# Altium PCB PCB1.PcbDoc (part 5 of 5)
Units mil, origin at the board's own origin, x right, y up, seen from the top; angles counter-clockwise.
Board outline 4133.86 x 2637.8 mil, 6 copper layers (Top Layer, Layer 3, Layer 1, Layer 2, Layer 4, Bottom Layer), stack 32.112 mil thick; 190 components, 222 nets, 983 pads, 548 vias.
Unrouted connection lines stored in the file: 1.
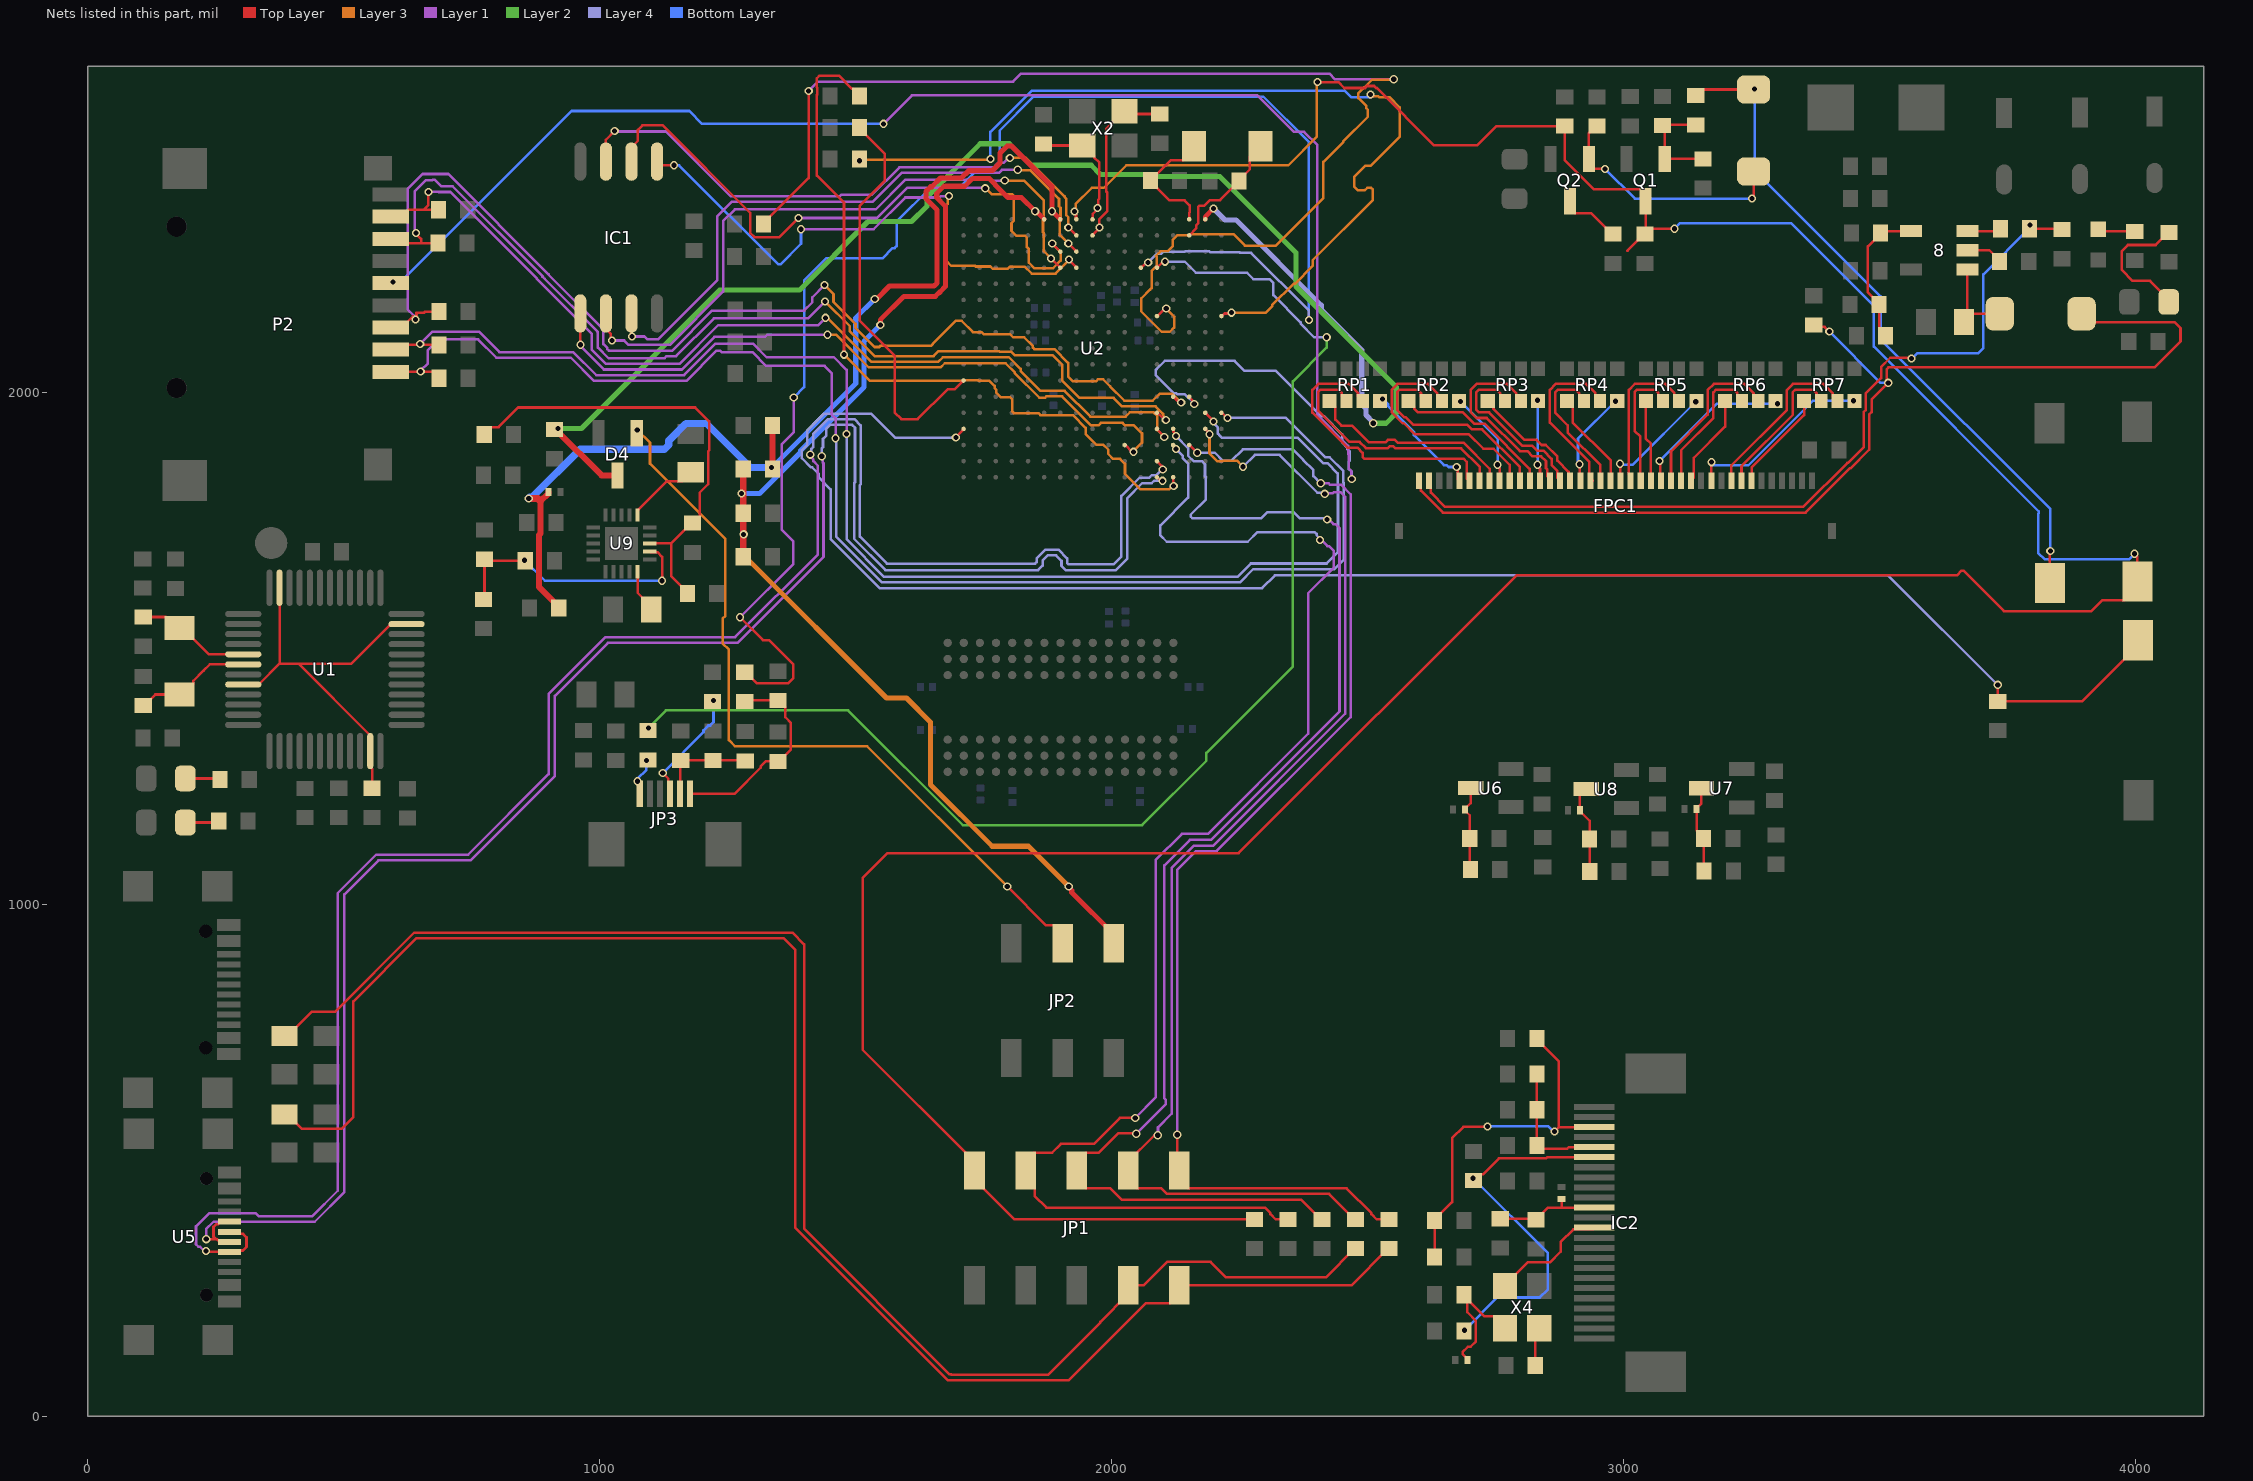
[diagram p9: the nets of this part, all layers, seen from the top]

## Via types
v1: diameter 16, hole 10, Top Layer to Bottom Layer, tented both sides, 548 vias

## Nets (pads, with @x,y where several pads share a name; then routed paths per layer and width w, separated by ;. In a path a pad name is that pad's centre, name@x,y a point inside that pad or via, vN(x,y) a via of type N, cw(c..) or ccw(c..) an arc to the next point about the centre after c; other vN are vias at no path point) (continued)
LED+: 7.2 D1.2 FPC1.1 | length 2157.1
  Top Layer w5: FPC1.1@2600.51,1827.6 2603.92,1824.19 2603.92,1808.56 2646.98,1765.5 3355.5,1765.5 3441.77,1851.77 3443.38,1851.77 3480,1888.38 3480,1957.15 3484.49,1961.65 3484.49,1986.49 3515.5,2017.5 v1(3517,2019) ; 7.2@3371.58,2132 3375.47,2128.11 3392.89,2128.11 v1(3402,2119) ; v1@3514,2019 3514,2045.44 3517.56,2049 4037,2049 4088,2100 4088,2126 4076.25,2137.75 3911.25,2137.75 D1.2@3895,2154
  Bottom Layer w5: v1(3402,2119) 3502,2019 v1(3517,2019)
LED-: FPC1.2 R20.1 R24.1 | length 1661.3
  Top Layer w5: FPC1.2@2620.2,1827.6 2623.6,1824.19 2623.6,1804.43 2651.54,1776.5 3350.94,1776.5 3437.21,1862.77 3438.83,1862.77 3469,1892.94 3469,1961.71 3473.49,1966.2 3473.49,1998.83 3503,2028.33 3503,2050 3521,2068 3564.24,2068 v1(3562.75,2066.51) ; R20.1@3794,2320 3855.13,2320 R24.1@3856.58,2318.54
  Bottom Layer w5: v1(3562.75,2066.51) 3563.69,2066.51 3574.18,2077 3693,2077 3703,2087 3703,2231 3794,2322 v1(3794,2327)
Net1_2: 1.2 2.2 FB1.1 U6.3 | length 168.1
  Top Layer w5: 2.2@2701,1068 2699.46,1069.54 1.2@2699.46,1129 2699.46,1174.2 2690.62,1183.03 FB1.1@2690.62,1185 2690.62,1186.97 2701.26,1197.61 U6.3@2701.26,1227.4
Net8_1: 8.1 D1.1 L1.1 | length 188.3
  Top Layer w5: L1.1@3665.39,2143.91 L1.1@3665.39,2138 L1.1@3671.7,2144.31 ; 8.1@3681.54,2240.6 8.1@3671.7,2240.6 L1.1@3671.7,2144.31 ; D1.1@3735,2154 3681.39,2154 L1.1@3671.7,2144.31
Net8_2: 8.2 R19.2 | length 73.1
  Top Layer w5: 8.2@3671.7,2278 3714.55,2278 3734.58,2257.97 R19.2@3734.58,2256
Net8_3: 8.3 R20.2 | length 66.2
  Top Layer w5: 8.3@3671.7,2315.4 3731.44,2315.4 R20.2@3736.04,2320
Net8_4: 8.4 13.2 R21.1 R23.1 | length 286.3
  Top Layer w5: R21.1@3512,2111 3512,2112.97 3499.13,2125.84 13.2@3499.13,2172 3499.13,2173.97 3477.41,2195.69 3477.41,2285.31 3505.53,2313.43 3505.53,2315.4 8.4@3561.46,2315.4
Net11_2: 11.2 12.2 FB2.1 U7.3 | length 171.9
  Top Layer w5: U7.3@3152,1227 3152,1197.16 3142.81,1187.97 FB2.1@3142.81,1186 3142.81,1144.61 3156.46,1130.97 12.2@3156.46,1129 3156.46,1066 11.2@3157.46,1065
Net16_2: 16.2 17.2 FB3.1 U8.3 | length 175.2
  Top Layer w5: U8.3@2927.26,1225.4 2926.09,1225.4 2914.81,1214.12 FB3.1@2914.81,1184 2914.81,1182.03 2933.91,1162.93 16.2@2933.91,1064
Net21_2: 21.2 22.2 FB6.2 IC2.11 | length 210.2
  Top Layer w5: 21.2@2758.98,385.84 2830.4,385.84 2852.29,407.74 2877.98,407.74 ; FB6.2@2878.98,424.48 2878.98,408.74 2877.98,407.74 ; IC2.11@2942.94,407.74 2877.98,407.74
Net24_2: 24.2 IC2.6 R29.2 | length 724.7
  Top Layer w5: v1(2705.94,465) 2706.98,463.96 R29.2@2706.98,460.3 ; R29.2@2713.98,465.33 2721.21,472.56 2725.25,472.56 2756.5,503.82 2848.81,503.82 2851.16,506.17 IC2.6@2942.94,506.17
  Bottom Layer w5: v1(2688.94,168) 2752.94,232 2836.14,232 2851.95,247.81 2851.95,319 v1(2705.94,465)
Net25_2: 25.2 IC2.5 R31.1 R33.1 | length 256
  Top Layer w5: R31.1@2830.52,668.55 25.2@2830.52,598.8 R33.1@2830.52,529.05 2837.05,522.52 2889.54,522.52 2892.87,525.85 IC2.5@2942.94,525.85
Net26_2: 26.2 IC2.3 R32.1 R34.1 | length 732.8
  Top Layer w5: R32.1@2630.98,311.3 26.2@2630.98,382.3 2630.98,384.27 2665.11,418.4 2665.11,543.43 2686.98,565.3 2732.98,565.3 v1(2733.98,566.3) ; R34.1@2830.52,738.3 2830.52,736.33 2872.98,693.88 2872.98,564.3 ; v1(2865.2,556.52) 2872.98,564.3 ; IC2.3@2942.94,565.22 2942.48,564.76 2873.44,564.76 2872.98,564.3
  Bottom Layer w5: v1(2733.98,566.3) 2853.06,566.3 2862.84,556.52 v1(2865.2,556.52)
Net27_2: 27.2 FB7.2 X4.4 | length 261.9
  Top Layer w5: 27.2@2688.07,235.33 2728.35,195.05 2747.4,195.05 2768.52,173.93 X4.4@2768.52,171.96 ; 27.2@2688.07,237.3 2694.6,230.77 2694.6,203.29 2711.33,186.55 2711.33,146.05 2701.07,135.79 2695.93,135.79 2685.67,125.53 2685.67,121.39 2694.79,112.27 FB7.2@2694.79,110.3
Net28_2: 28.2 JP3.5 R36.2 R39.1 | length 192.3
  Top Layer w5: JP3.5@1156.73,1216.1 1156.73,1280.19 28.2@1158,1281.46 1283,1281.46 R39.1@1284,1280.46
Net29_2: 29.2 JP3.6 R35.2 R42.1 | length 407.5
  Top Layer w5: JP3.6@1176.42,1216.1 1263.16,1216.1 1314.01,1266.95 1314.01,1269.7 1323.77,1279.46 29.2@1348,1279.46 1349.97,1279.46 1373.23,1302.72 1373.23,1354.83 1362.23,1365.83 1362.23,1386.19 1349.97,1398.46 R42.1@1348,1398.46 1285,1398.46 R35.2@1283,1396.46
NetC1_2: C1.2 U2.A7 | length 1824.9
  Top Layer w5: U2.A7@2214.45,2149.49 2215.49,2149.49 2220.4,2154.4 2232.34,2154.4 v1(2234,2156.06)
  Layer 3 w5: v1(1507.34,2452.88) 1509.15,2454.69 1761.19,2454.69 v1(1763,2456.5) ; v1(2234,2156.06) 2301.26,2156.06 2313.5,2168.29 2313.5,2170.62 2355.38,2212.5 2357.71,2212.5 2392.56,2247.35 2392.56,2258.43 2510.27,2376.15 2510.27,2396.56 2506.84,2399.99 2499.24,2399.99 2494.62,2395.37 2480.63,2395.37 2473.5,2402.5 2473.5,2420.88 2496.12,2443.5 2506.46,2443.5 2562.5,2499.54 2562.5,2557.4 2542.9,2577 2522.33,2577 2520.83,2578.5 2507.17,2578.5 2506.83,2578.17 2505.83,2579.17 v1(2505.83,2582.43)
  Bottom Layer w5: v1(1763,2456.5) 1763,2509 1844,2590 2454.79,2590 2467.79,2577 2505.83,2577 v1(2505.83,2582.43)
NetC2_2: C2.2 U2.D17 | length 1482.9
  Top Layer w5: v1(1477,2074) 1477,2371 1424,2424 1424,2581.67 1424.5,2582.17 1424.5,2595.83 1424,2596.33 1424,2614 1429,2619 1467.09,2619 1492.85,2593.23 1494.82,2593.23 1507.09,2580.97 C2.2@1507.09,2579 ; U2.D17@2119.96,1834.53 2120.5,1833.98 2120.5,1817.84 v1(2121.05,1817.29)
  Layer 3 w5: v1(1477,2074) 1528,2023 1682,2023 1682.25,2022.75 1710.18,2022.75 1711.68,2024.26 1739.61,2024.26 1740.87,2023 1761.06,2023 1771.29,2012.77 1771.29,2008.71 1774.11,2005.89 1774.11,2000.37 1783.77,1990.71 1797.44,1990.71 1797.62,1990.89 1801.11,1990.89 1805.75,1986.25 1805.75,1962.69 1808.68,1959.76 1857.09,1959.76 1860.83,1956.02 1924.09,1956.02 1948.98,1931.13 1948.98,1918.98 1969.69,1898.27 1983.36,1898.27 1993.22,1888.41 1993.22,1880.17 2002.89,1870.5 2016.33,1870.5 2026,1860.83 2026,1841 2056,1811 2111.78,1811 2118.07,1817.29 v1(2121.05,1817.29)
NetC3_2: C3.2 U2.U11 | length 796.8
  Top Layer w5: C3.2@1507.09,2517.5 1507.09,2515.53 1557,2465.62 1557,2414 1508,2365 1508,2140 1576,2072 1576,1961 1589,1948 1621,1948 1679.26,2006.26 1693.27,2006.26 1694.76,2007.76 U2.U11@1710.51,2023.5
NetC4_1: C4.1 U1.5 X1.1 | length 225.6
  Top Layer w5: C4.1@108,1561.54 151.51,1561.54 173.09,1539.96 X1.1@179,1539.96 184.91,1539.96 236.22,1488.65 U1.5@303.43,1488.65
NetC5_1: C5.1 U1.6 X1.2 | length 232.2
  Top Layer w5: C5.1@108,1388.46 109.97,1388.46 131.55,1410.04 X1.2@179,1410.04 184.76,1410.04 205.88,1431.16 205.88,1436.92 225.96,1457 237.92,1468.96 U1.6@303.43,1468.96
NetC47_1: C47.1 Q1.1 R17.2 R18.2 | length 207.2
  Top Layer w5: R17.2@3141,2522.91 3077.46,2522.91 R18.2@3076,2521.46 3080.4,2517.06 Q1.1@3080.4,2456.34 3080.61,2456.54 C47.1@3155,2456.54
NetC52_1: C52.1 D3.2 Q2.1 | length 482.5
  Top Layer w5: C52.1@2948,2520.46 2946.03,2520.46 2932.4,2506.83 Q2.1@2932.4,2456.34 2932.4,2446.31 2941.71,2437 v1(2964,2437) ; v1(3251,2379) 3254,2382 D3.2@3254,2432
  Bottom Layer w5: v1(2964,2437) 3022,2379 v1(3251,2379)
NetC59_1: C59.1 R43.2 R46.1 U9.2 | length 518.9
  Top Layer w5: R43.2@772.72,1595.85 774.72,1597.85 R46.1@774.72,1674.22 777.63,1671.31 C59.1@852.72,1671.31 ; U9.2@1097.75,1689.56 1099.19,1688.12 1112.49,1688.12 1121.72,1678.89 v1(1121.72,1632.31)
  Bottom Layer w5: v1(852.72,1672.31) 892.72,1632.31 v1(1121.72,1632.31)
NetC60_1: C60.1 R41.1 R45.2 U9.3 | length 897.6
  Top Layer w5: R45.2@774.18,1918.31 774.18,1920.28 786.44,1932.54 801.98,1932.54 840.18,1970.74 1186.29,1970.74 1213.65,1943.38 1213.65,1887.32 1211.81,1885.48 1211.81,1821.1 1194.95,1804.24 1194.95,1757.12 1182.69,1744.85 R41.1@1180.72,1744.85 1178.75,1744.85 1139.21,1705.31 ; U9.3@1097.75,1705.31 1139.21,1705.31 ; C60.1@1171.18,1607.31 1171.18,1609.28 1139.21,1641.25 1139.21,1705.31
NetD3_1: BOOT.2@3833,1628 D3.1 R17.1 | length 1331.1
  Top Layer w5: R17.1@3135,2586 R17.1@3141,2580 3153,2592 D3.1@3254,2592 ; BOOT.2@3833,1628 3833,1689.84 v1(3833.74,1690.59)
  Bottom Layer w5: v1(3256,2593) 3256,2434 3502,2188 3502,2103.93 3833.74,1772.18 v1(3833.74,1690.59)
NetFPC1_5: FPC1.5 RP1.8 | length 234.3
  Top Layer w5: v1(2673.93,1854.5) 2676.04,1852.4 2676.04,1830.81 FPC1.5@2679.25,1827.6
  Bottom Layer w5: v1(2529.38,1987.28) 2529.76,1987.28 2540.53,1976.51 2540.53,1972.97 2590.63,1922.87 2590.63,1916.83 2649.16,1858.3 2654.33,1858.3 2658.13,1854.5 v1(2673.93,1854.5)
NetFPC1_6: FPC1.6 RP1.7 | length 543.9
  Top Layer w5: RP1.7@2490.5,1983.5 2481.18,1992.81 2481.18,1998.93 2463.33,2016.78 2403.68,2016.78 2392,2005.1 2392,1960.92 2460.42,1892.5 2479.83,1892.5 2490.17,1882.17 2490.17,1873.93 2493.1,1871 2687.33,1871 2693.66,1864.68 FPC1.6@2693.66,1832
NetFPC1_7: FPC1.7 RP1.6 | length 507.2
  Top Layer w5: RP1.6@2459,1983.5 2449.69,1992.81 2449.69,1998.93 2442.84,2005.78 2408.23,2005.78 2403.26,2000.8 2403.26,1965.22 2464.98,1903.5 2484.39,1903.5 2496.39,1891.5 2539.39,1891.5 2542.89,1895 2550.11,1895 2554.05,1891.05 2682.84,1891.05 2718.62,1855.27 2718.62,1840.85 2719.95,1839.51 2720.7,1839.51 FPC1.7@2720.7,1819.33
NetFPC1_8: FPC1.8 RP1.5 | length 409.9
  Top Layer w5: RP1.5@2425.54,1983.5 2436.82,1972.22 2436.82,1947.22 2448.85,1935.18 2469.71,1935.18 2502.39,1902.5 2534.83,1902.5 2539.81,1907.47 2553.19,1907.47 2558.61,1902.05 2687.39,1902.05 2738.31,1851.14 FPC1.8@2738.31,1827.6
NetFPC1_9: FPC1.9 RP2.8 | length 190.1
  Top Layer w5: RP2.8@2678.5,1983.5 2680.5,1983.5 v1(2681.57,1982.44) ; v1(2753.93,1858.93) 2753.93,1856.09 2757.99,1852.03 FPC1.9@2757.99,1827.6
  Bottom Layer w5: v1(2681.57,1982.44) 2754,1910 2754,1859 v1(2753.93,1858.93)
NetFPC1_10: FPC1.10 RP2.7 | length 468.6
  Top Layer w5: RP2.7@2645.04,1983.5 2635.73,1992.81 2635.73,1998.93 2617.87,2016.78 2558.22,2016.78 2546.8,2005.36 2546.8,1961.65 2568.39,1940.06 2570.61,1940.06 2592.2,1918.47 2697.85,1918.47 2726.12,1890.2 2746,1890.2 2777.68,1858.52 FPC1.10@2777.68,1827.6
NetFPC1_11: FPC1.11 RP2.6 | length 417.9
  Top Layer w5: RP2.6@2613.54,1983.5 2604.23,1992.81 2604.23,1998.93 2597.38,2005.78 2562.78,2005.78 2557.8,2000.8 2557.8,1966.2 2572.42,1951.58 2574.64,1951.58 2589.27,1936.96 2694.92,1936.96 2703.65,1928.22 2723.53,1928.22 2797.36,1854.39 FPC1.11@2797.36,1827.6
NetFPC1_12: FPC1.12 RP2.5 | length 317.3
  Top Layer w5: RP2.5@2580.08,1983.5 2591.36,1972.22 2591.36,1968.08 2598.21,1961.22 2686.21,1961.22 2708.21,1939.22 2728.08,1939.22 2816.46,1850.85 2816.46,1828.18 FPC1.12@2817.05,1827.6
NetFPC1_13: FPC1.13 RP3.8 | length 161.3
  Top Layer w5: v1(2832,1859) 2832,1856.02 2836.73,1851.29 FPC1.13@2836.73,1827.6 ; v1(2832,1985) 2833.04,1983.96 RP3.8@2833.04,1983.5
  Bottom Layer w5: v1(2832,1859) v1(2832,1985)
NetFPC1_14: FPC1.14 RP3.7 | length 380.8
  Top Layer w5: RP3.7@2799.58,1983.5 2790.27,1992.81 2790.27,1998.93 2772.42,2016.78 2712.76,2016.78 2701.34,2005.36 2701.34,1961.65 2712.76,1950.22 2732.64,1950.22 2797.39,1885.47 2812.53,1885.47 2822.5,1875.5 2838.83,1875.5 2848.5,1865.83 2848.5,1852.17 2851.14,1849.53 FPC1.14@2851.14,1837
NetFPC1_15: FPC1.15 RP3.6 | length 333.1
  Top Layer w5: RP3.6@2768.08,1983.5 2758.77,1992.81 2758.77,1998.93 2751.92,2005.78 2717.32,2005.78 2712.34,2000.8 2712.34,1966.2 2717.32,1961.22 2737.2,1961.22 2801.95,1896.47 2821.22,1896.47 2831.19,1886.5 2843.39,1886.5 2859.5,1870.39 2859.5,1858.19 2870.82,1846.87 FPC1.15@2870.82,1834
NetFPC1_16: FPC1.16 RP3.5 | length 241.1
  Top Layer w5: RP3.5@2734.62,1983.5 2745.9,1972.22 2745.9,1968.08 2806.5,1907.47 2829.9,1907.47 2839.87,1897.5 2847.95,1897.5 2870.5,1874.95 2870.5,1866.87 2892.38,1844.99 2892.38,1831 FPC1.16@2895.79,1827.6
NetFPC1_17: FPC1.17 RP4.8 | length 191.3
  Top Layer w5: v1(2914,1860) 2914.74,1859.26 2914.74,1828.33 FPC1.17@2915.47,1827.6 ; v1(2984,1983) 2984.5,1983.5 RP4.8@2987.59,1983.5
  Bottom Layer w5: v1(2914,1860) 2913.93,1860 2911,1862.93 2911,1910 v1(2984,1983)
NetFPC1_18: FPC1.18 RP4.7 | length 320.7
  Top Layer w5: FPC1.18@2933,1841.44 2933,1864.33 2855.88,1941.45 2855.88,2005.36 2867.3,2016.78 2926.96,2016.78 2944.81,1998.93 2944.81,1992.81 RP4.7@2954.12,1983.5 ; FPC1.18@2935.16,1827.6 FPC1.18@2939.69,1827.6
NetFPC1_19: FPC1.19 RP4.6 | length 280.3
  Top Layer w5: RP4.6@2922.63,1983.5 2913.32,1992.81 2913.32,1998.93 2906.46,2005.78 2871.86,2005.78 2866.88,2000.8 2866.88,1960.12 2890.88,1936.12 2890.88,1922.01 2954.84,1858.05 FPC1.19@2954.84,1827.6
NetFPC1_20: FPC1.20 RP4.5 | length 191.3
  Top Layer w5: RP4.5@2889.16,1983.5 2900.44,1972.22 2900.44,1941.88 2974.53,1867.79 FPC1.20@2974.53,1827.6
NetFPC1_21: FPC1.21 RP5.8 | length 235.7
  Top Layer w5: v1(2993,1861) 2993.61,1860.39 2993.61,1828.2 FPC1.21@2994.21,1827.6 ; v1(3141,1982) 3142.13,1983.13 RP5.8@3142.13,1983.5
  Bottom Layer w5: v1(2993,1861) 2995,1859 3018,1859 v1(3141,1982)
NetFPC1_22: FPC1.22 RP5.7 | length 299.5
  Top Layer w5: FPC1.22@3013.9,1827.6 3013.9,1837.44 3010.42,1840.91 3010.42,2005.36 3021.85,2016.78 3081.5,2016.78 3099.35,1998.93 3099.35,1992.81 RP5.7@3108.66,1983.5
NetFPC1_23: FPC1.23 RP5.6 | length 248.9
  Top Layer w5: FPC1.23@3033.58,1827.6 3032.7,1828.48 3032.7,1913.92 3021.42,1925.2 3021.42,2000.8 3026.4,2005.78 3061,2005.78 3067.86,1998.93 3067.86,1992.81 RP5.6@3077.17,1983.5
NetFPC1_24: FPC1.24 RP5.5 | length 159.9
  Top Layer w5: RP5.5@3043.7,1983.5 3043.7,1909.61 3053.27,1900.05 FPC1.24@3053.27,1827.6
NetFPC1_25: FPC1.25 RP6.8 | length 324.3
  Top Layer w5: v1(3070,1866) 3071.48,1864.52 3071.48,1829.07 FPC1.25@3072.95,1827.6 ; RP6.8@3296.67,1983.5 3296.67,1982.33 v1(3301,1978)
  Bottom Layer w5: v1(3070,1866) 3182,1978 v1(3301,1978)
NetFPC1_26: FPC1.26 RP6.7 | length 328.1
  Top Layer w5: FPC1.26@3092.64,1827.6 3092.64,1885.24 3164.41,1957.01 3164.41,2004.8 3176.39,2016.78 3236.04,2016.78 3253.89,1998.93 3253.89,1992.81 RP6.7@3263.21,1983.5
NetFPC1_27: FPC1.27 RP6.6 | length 270.2
  Top Layer w5: FPC1.27@3112.32,1827.6 3112.32,1887.3 3175.41,1950.39 3175.41,2000.25 3180.94,2005.78 3215.55,2005.78 3222.4,1998.93 3222.4,1992.81 RP6.6@3231.71,1983.5
NetFPC1_28: FPC1.28 RP6.5 | length 174.8
  Top Layer w5: FPC1.28@3137.29,1834 3137.29,1872.63 3198.25,1933.59 RP6.5@3198.25,1983.5
NetFPC1_30: FPC1.30 RP7.8 | length 372.6
  Top Layer w5: FPC1.30@3171.38,1827.6 3171.69,1827.91 3171.69,1863.69 v1(3172,1864) ; v1(3449,1984) 3449.5,1983.5 RP7.8@3451.21,1983.5
  Bottom Layer w5: v1(3172,1864) 3172,1861.02 3174.93,1858.09 3174.93,1858 3244.01,1858 3370.01,1984 v1(3449,1984)
NetFPC1_32: FPC1.32 RP7.7 | length 343.2
  Top Layer w5: FPC1.32@3210.75,1827.6 3210.75,1858 3318.95,1966.2 3318.95,2004.8 3330.93,2016.78 3390.58,2016.78 3408.44,1998.93 3408.44,1992.81 RP7.7@3417.75,1983.5
NetFPC1_33: FPC1.33 RP7.6 | length 285.3
  Top Layer w5: FPC1.33@3230.43,1827.6 3230.43,1856.43 3330.51,1956.51 3330.51,2000.8 3335.49,2005.78 3370.09,2005.78 3376.94,1998.93 3376.94,1992.81 RP7.6@3386.25,1983.5
NetFPC1_34: FPC1.34 RP7.5 | length 198.4
  Top Layer w5: FPC1.34@3250.12,1827.6 3250.12,1853.5 3352.79,1956.17 RP7.5@3352.79,1983.5
NetIC2_13: IC2.13 X4.3 | length 233.7
  Top Layer w5: X4.3@2768.52,254.64 2768.52,256.61 2812.42,300.52 2856.2,300.52 2877.07,321.39 2877.07,340.12 2901.92,364.96 2939.54,364.96 IC2.13@2942.94,368.37
NetJP1_1: DIO.1 JP1.1 R8.2 | length 3248.8
  Top Layer w5: R8.2@384,589.8 389.91,589.8 418.09,561.62 495.11,561.62 518.49,585 518.49,810.51 641.98,934 1359,934 1382,911 1382,367.89 1679.82,70.07 1915.78,70.07 2066.6,220.89 2114.42,220.89 2132,238.47 JP1.1@2132,255.8 2468.37,255.8 2540.03,327.46 DIO.1@2542,327.46
NetJP1_3: CLK.1 JP1.3 R10.2 | length 2997
  Top Layer w5: R10.2@384,743.04 389.91,743.04 436.87,790 482.42,790 637.42,945 1376,945 1399,922 1399,366.44 1683.44,82 1686,82 1686.93,81.07 1875.63,81.07 1978,183.44 1978,184.47 2032,238.47 JP1.3@2032,255.8 2062.5,255.8 2108.4,301.7 2193.3,301.7 2223.5,271.5 2418.32,271.5 2474.28,327.46 CLK.1@2476.25,327.46
NetJP3_1: JP3.1 R38.2 | length 77.5
  Top Layer w5: v1(1073.57,1240.7) 1077.99,1236.28 JP3.1@1077.99,1216.1 ; v1(1091,1281) 1092.46,1282.46 R38.2@1094,1282.46
  Bottom Layer w5: v1(1073.57,1240.7) 1074,1241.13 1074,1246 1091,1263 v1(1091,1281)
NetJP3_4: JP3.4 R37.2 | length 233.3
  Top Layer w5: v1(1123,1257) 1123,1256.36 1133.64,1245.72 1133.64,1219.51 JP3.4@1137.05,1216.1 ; R37.2@1220,1396.46 1220.46,1396.46 v1(1222,1398)
  Bottom Layer w5: v1(1123,1257) 1202.5,1336.5 1202.5,1339.83 1212.17,1349.5 1215.5,1349.5 1222,1356 v1(1222,1398)
NetL2_2: L2.2 U9.20 | length 84.6
  Top Layer w5: U9.20@1073.83,1649.9 1073.83,1608.9 1100.52,1582.21 L2.2@1100.52,1576.31
NetL3_2: L3.2 U9.6 | length 143.9
  Top Layer w5: U9.6@1073.83,1760.72 1073.83,1769.87 1131.08,1827.12 1160.54,1827.12 L3.2@1177.72,1844.31
NetLED1_1: DAP1.1 R3.2 | length 66.3
  Top Layer w5: DAP1.1@190.4,1160 252.46,1160 R3.2@255.46,1163
NetLED2_1: DAP2.1 R6.2 | length 68.4
  Top Layer w5: DAP2.1@190.4,1246 256,1246 R6.2@258,1244
NetLED4_1: 3V3.1 R26.2 | length 73.3
  Top Layer w5: 3V3.1@3927.58,2319 3927.58,2317.93 3930.51,2315 R26.2@3998.58,2315
NetLED5_1: PC13.1 R28.2 | length 264.4
  Top Layer w5: PC13.1@4064.99,2177 4064.99,2182 4028.73,2218.27 3994.71,2218.27 3973.35,2239.63 3973.35,2276.2 3985.39,2288.24 4039.31,2288.24 4063.61,2312.54 R28.2@4065.58,2312.54